# Altium PCB smu_unit.PcbDoc (part 1 of 3)
Units mil, origin at the board's own origin, x right, y up, seen from the top; angles counter-clockwise.
Board outline 6066 x 1900 mil, 4 copper layers (L1, L2, L3, L4), stack 64.6 mil thick; 158 components, 104 nets, 571 pads, 990 vias.
Unrouted connection lines stored in the file: 24.
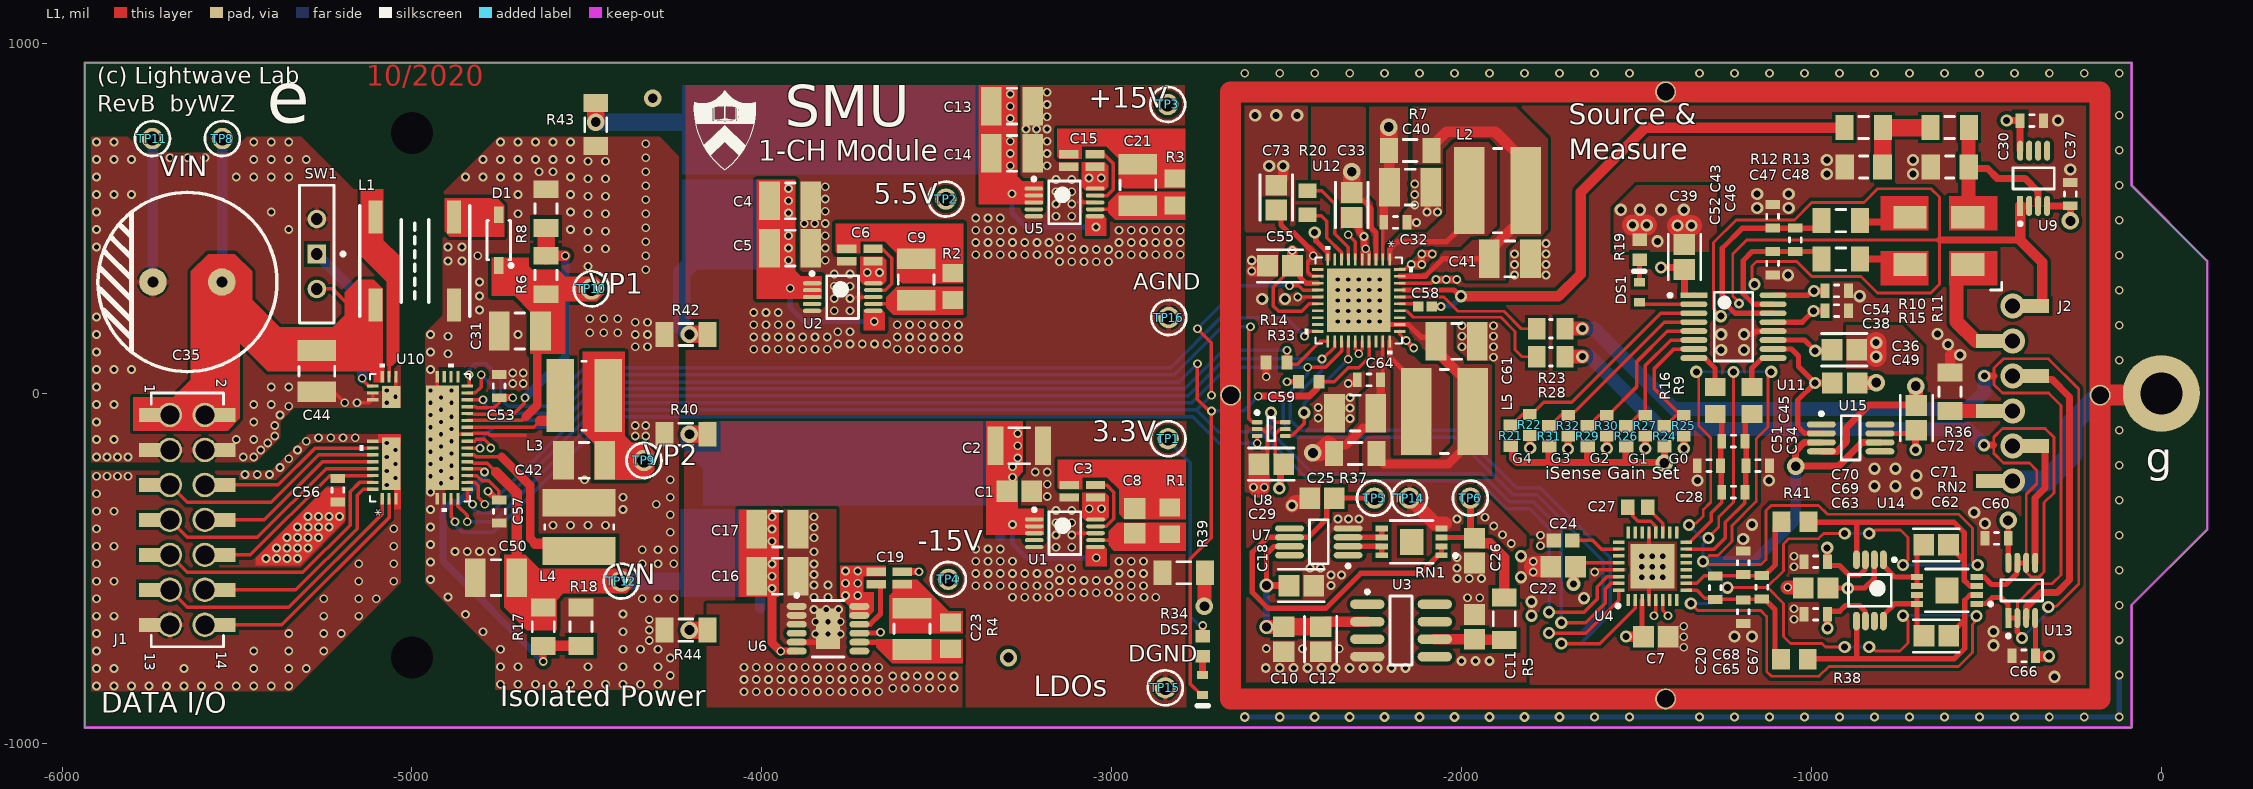
[diagram p0: L1 view]
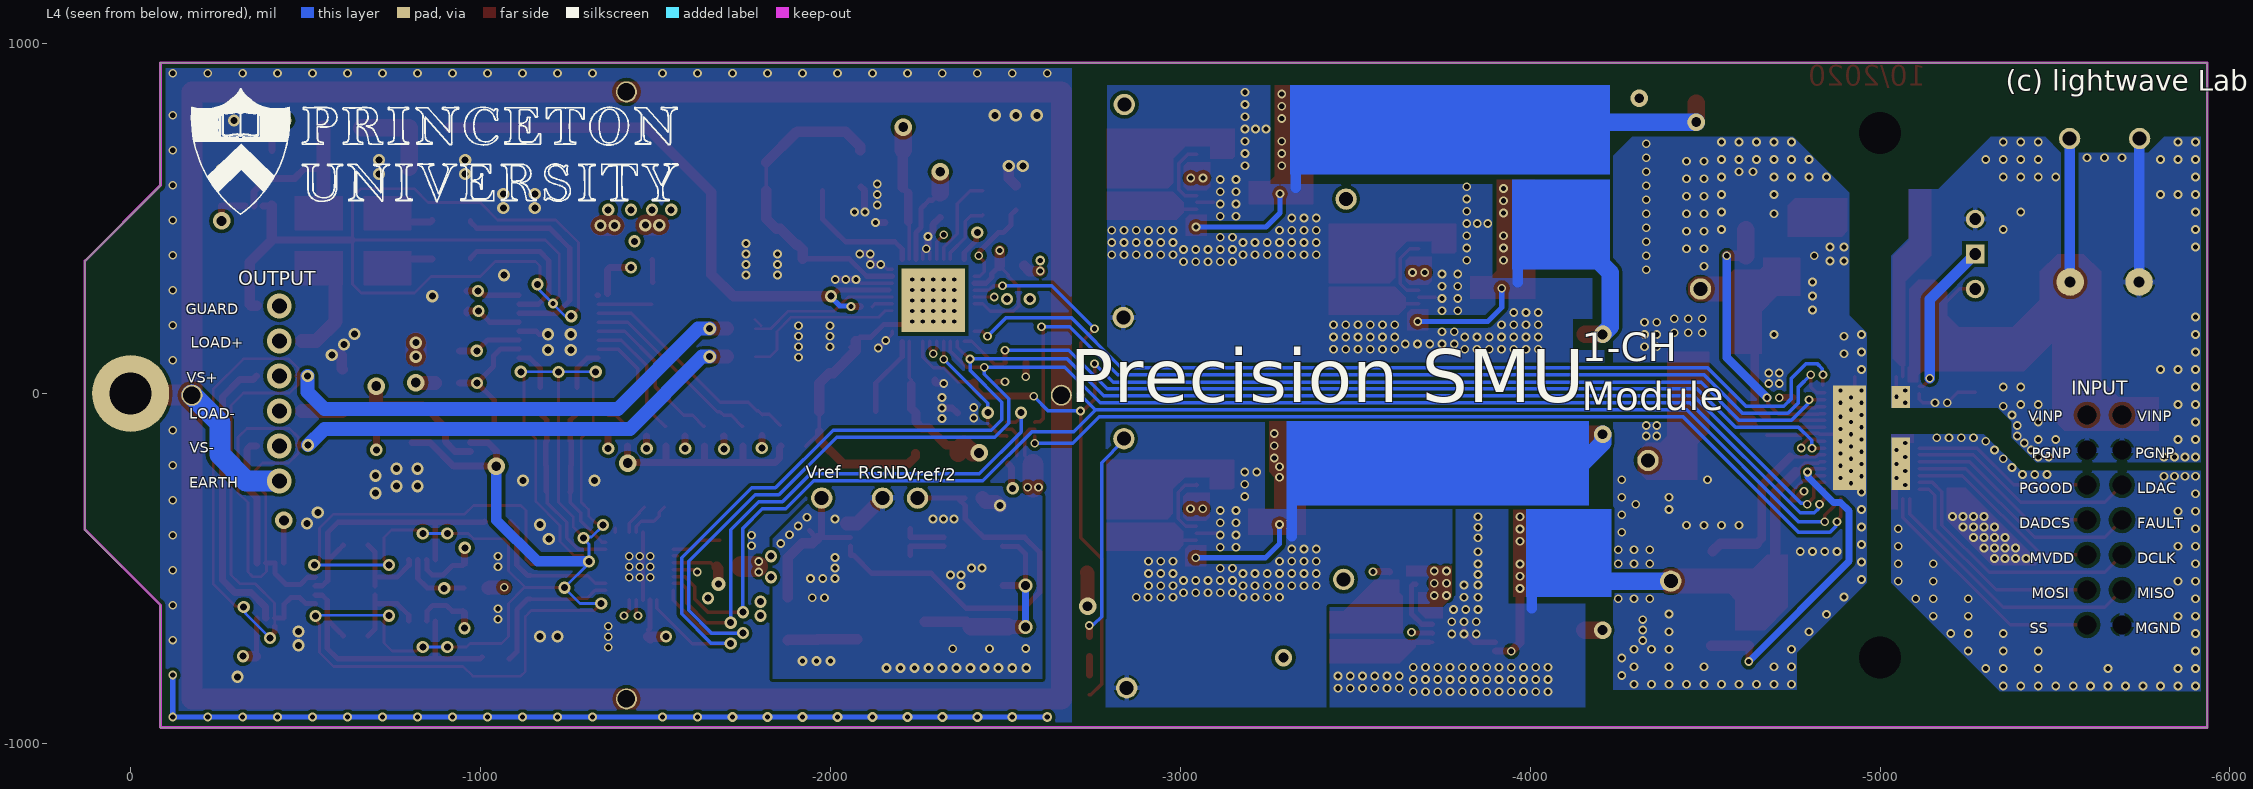
[diagram p1: L4 view, seen from below]
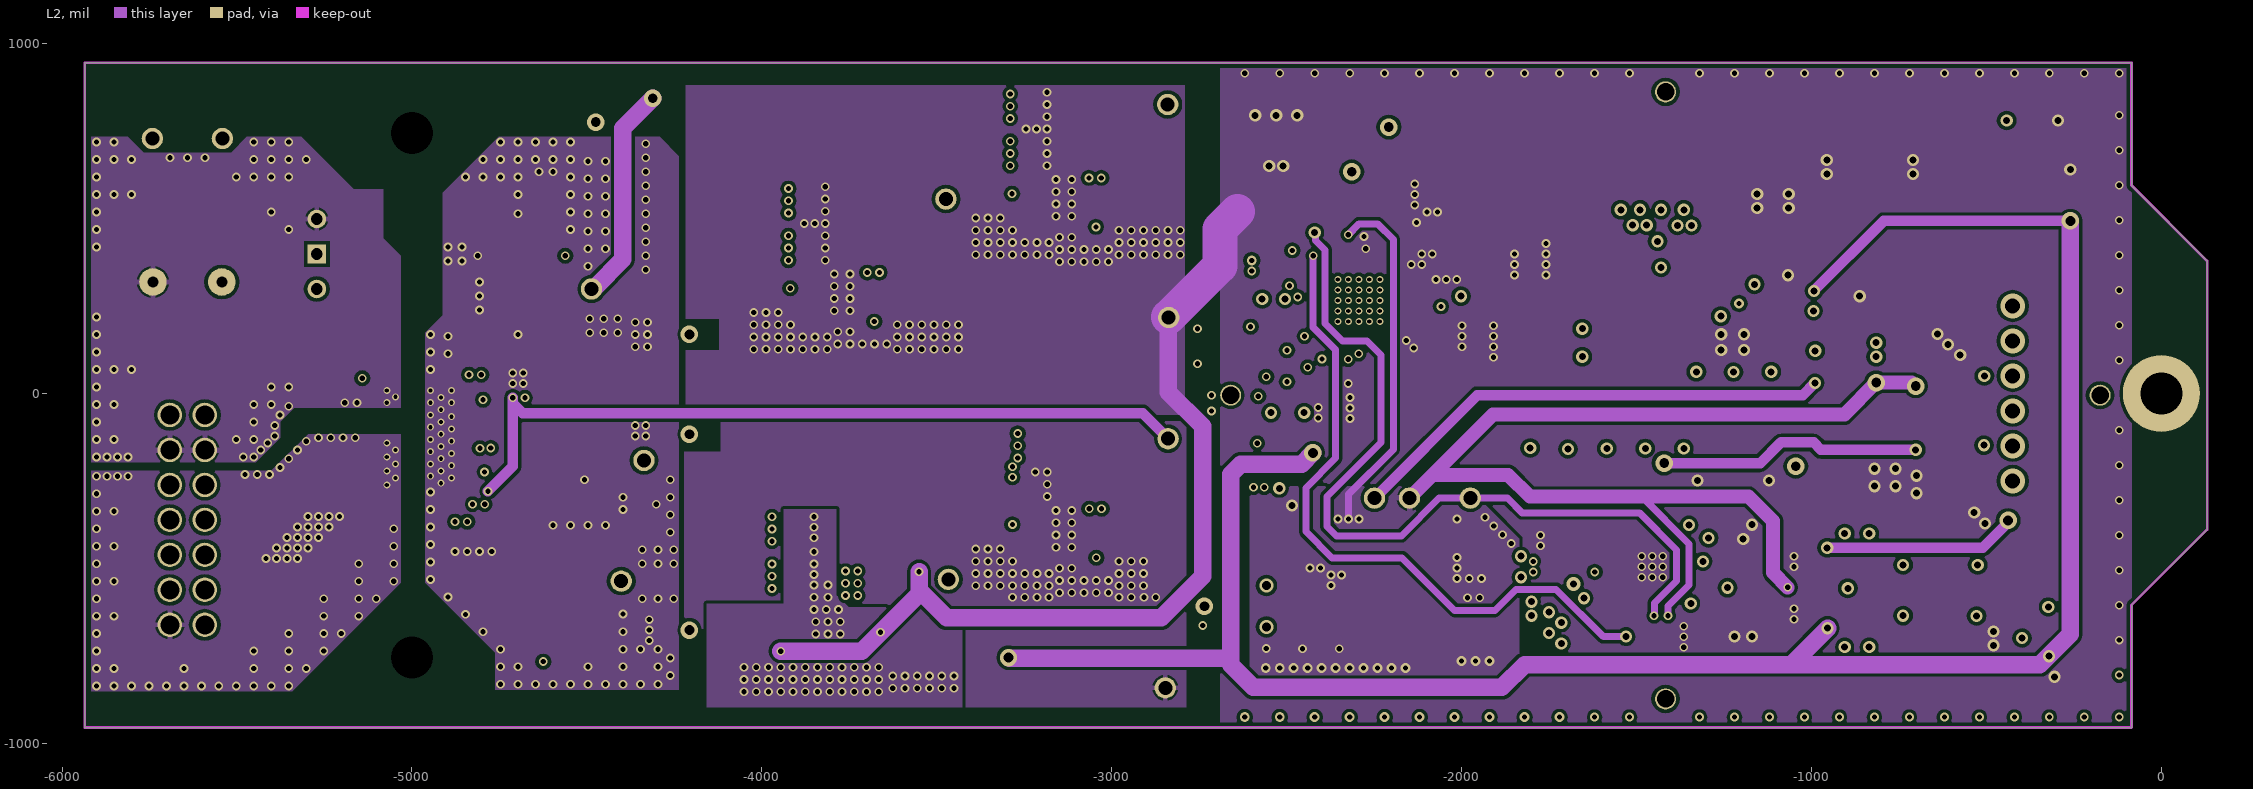
[diagram p2: L2]
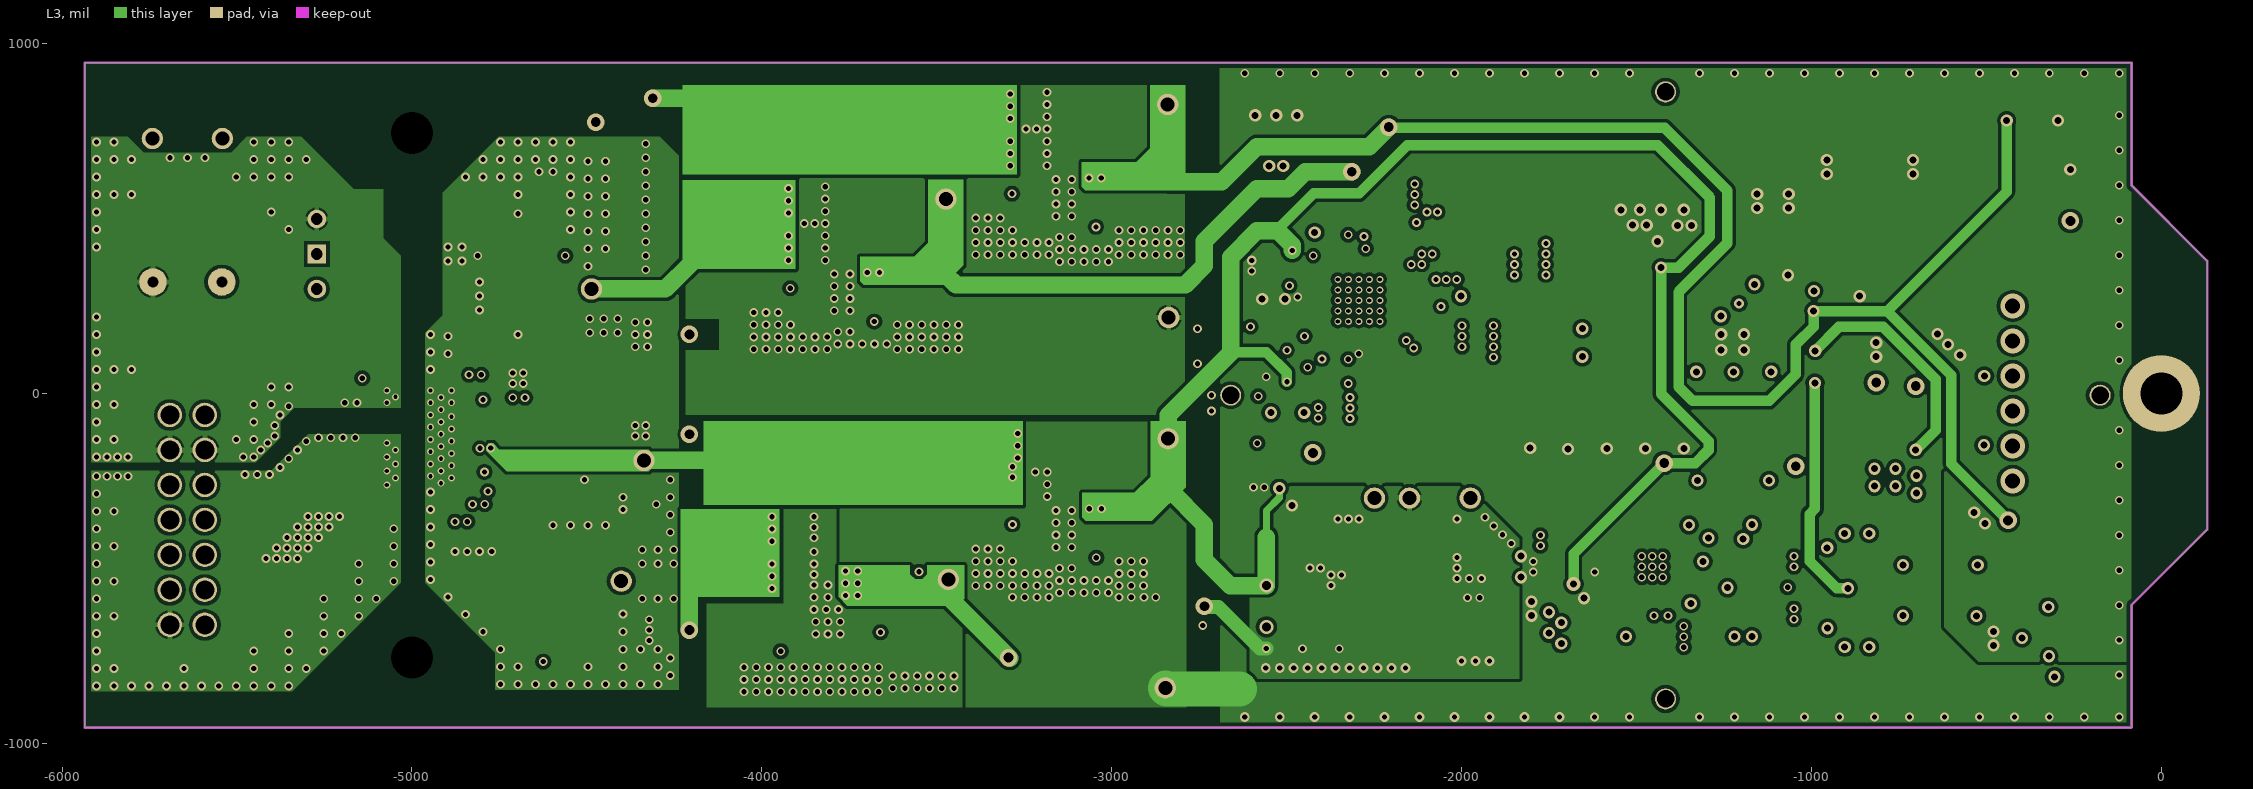
[diagram p3: L3]

## Layer stack, top to bottom
Top Solder: solder mask 0.1, Solder Resist, Dk 1
L1: signal copper 1.4
Prepreg 1: prepreg 6.7, FR-408, Dk 3.66
L2: signal copper 0.7
Core: dielectric 47, FR-4, Dk 3.66
L3: signal copper 0.7
Prepreg 2: prepreg 6.7, FR-408, Dk 3.66
L4: signal copper 1.4
Bottom Solder: solder mask 0.1, Solder Resist, Dk 1

## Board outline
-5935,-955 -5935,945 -85,945 -85,595 131,379 131,-389 -85,-605 -85,-955

## Design rules (kind name [scope] priority, off if disabled: settings)
BoardOutlineClearance [All] p1: gap=15 ignorepadtopadclearanceinfootprint=FALSE
Clearance "Clearance Polygons" [InPolygon] p1: gap=10 ignorepadtopadclearanceinfootprint=FALSE except(0: Arc-Hole Track-Hole SMDPad-Hole THPad-Hole Via-Hole Fill-Hole Poly-Hole Region-Hole Text-Hole)
Clearance [All] p2: gap=5 ignorepadtopadclearanceinfootprint=FALSE except(0: Arc-Hole Track-Hole SMDPad-Hole THPad-Hole Via-Hole Fill-Hole Poly-Hole Region-Hole Text-Hole)
ComponentClearance "HM-TRP & UFL" [InComponent('X1') vs InComponent('U1')] p1: gap=0 collisioncheckmode=3 verticalgap=0 showdistances=FALSE
ComponentClearance [All] p2: gap=1 collisioncheckmode=3 verticalgap=1 showdistances=FALSE
DiffPairsRouting [All] p1: maxlimit=393.7 minlimit=5 mostfreqgap=8 toplayer_minwidth=5 toplayer_maxwidth=15 toplayer_prefwidth=8 midlayer1_minwidth=5 midlayer1_maxwidth=15 midlayer1_prefwidth=8 midlayer2_minwidth=5 midlayer2_maxwidth=15 midlayer2_prefwidth=8 bottomlayer_minwidth=5 bottomlayer_maxwidth=15 bottomlayer_prefwidth=8 maxuncoupledlength=500
HoleSize [All] p1: absolutevalues=TRUE maxlimit=265 minlimit=10 maxpercent=80.000 minpercent=20.000
HoleToHoleClearance [All] p1: gap=10 allowstackedmicrovias=FALSE
MinimumAnnularRing [All] p1: minimumring=4
MinimumSolderMaskSliver [All] p1: minsoldermaskwidth=0
PlaneClearance [All] p1: clearance=10
PlaneConnect [All] p1: planeconnectstyle=Relief reliefexpansion=4 reliefentries=4 reliefconductorwidth=6 reliefairgap=6
PolygonConnect "Via connect style" [isVia] p1: connectstyle=Direct reliefconductorwidth=10 reliefentries=4 polygonreliefangle="90 Angle" airgapwidth=10
PolygonConnect [All] p2: thpad.connectstyle=Relief thpad.reliefconductorwidth=15 thpad.reliefentries=4 thpad.polygonreliefangle="90 Angle" thpad.airgapwidth=6 smdpad.connectstyle=Direct smdpad.reliefconductorwidth=10 smdpad.reliefentries=4 smdpad.polygonreliefangle="90 Angle" smdpad.airgapwidth=6 via.connectstyle=Direct via.reliefconductorwidth=10 via.reliefentries=4 via.polygonreliefangle="90 Angle" via.airgapwidth=6
RoutingCorners [All] p1: cornerstyle=45-Degree minsetback=49.21 maxsetback=49.21
RoutingVias [All] p1: holewidth=12 width=22 viastyle="Through Hole" minholewidth=10 minwidth=18 maxholewidth=100 maxwidth=114
SilkToSilkClearance [All] p1: silktosilkclearance=0
SilkToSolderMaskClearance [IsPad] p1: minsilkscreentomaskgap=5 clearancetoexposedcopper=TRUE
SolderMaskExpansion SolderMaskExpansion_1 [All] p1: expansion=4 istentingtop=FALSE
SolderMaskExpansion SolderMaskExpansion_via [IsVia] p2: expansion=2.5 istentingtop=TRUE
Width GND [InNet('GND')] p1: maxlimit=30 minlimit=10 preferedwidth=20
Width Power [InNetClass('Power')] p2: maxlimit=40 minlimit=20 preferedwidth=30
Width 3V3 [InNetClass('3V3')] p3: maxlimit=30 minlimit=10 preferedwidth=20
Width [All] p4: maxlimit=400 minlimit=6 preferedwidth=8
20 further rules are at their usual default settings.

## Components (designator, comment, footprint, x,y, rotation, side; value= is the part's Value field where it differs from the comment)
C1 "C0805C475J4RACAUTO" CAPC2013X140X50ML20T25 -3263.89,-279.41 r0 top value=4.7uF
C2 "‎GRM32ER71C226KEA8L‎" CAPC3225X270X30ML30 -3263.89,-149.41 r180 top
C3 "CAP08054P" CAP0805_4P -3083.89,-279.41 r180 top value=4.7uF
C4 "C1210C106K5RACTU" CAPC3225X280X50ML20T25 -3918.89,550.59 r180 top
C5 "C1206X475J5RAC7800" CAPC3225X280X50ML20T25 -3918.89,415.59 r180 top
C6 "CAP08054P" CAP0805_4P -3719.89,395.59 r180 top value=4.7uF
C7 "C0805C475J4RACAUTO" CAPC2013X140X50ML20T25 -1444.7,-695.24 r0 top value=4.7uF
C8 "C0805C475J4RACAUTO" CAPC2013X140X50ML20T25 -2933.89,-364.13 r90 top value=4.7uF
C9 "C1206X475J5RAC7800" CAPC3225X280X50ML20T25 -3558.89,325.59 r270 top
C10 "C0805C475J4RACAUTO" CAPC2013X140X50ML20T25 -2507.89,-702.41 r270 top value=4.7uF
C11 "C0805C475J4RACAUTO" CAPC2013X140X50ML20T25 -1962.89,-667.41 r90 top value=4.7uF
C12 "C0805C104J4RACTU" FP-C0805C-DN-IPC_A -2402.89,-702.41 r270 top value="0.10 μF"
C13 "C1210C106K5RACTU" CAPC3225X280X50ML20T25 -3285,821 r180 top
C14 "C1206X475J5RAC7800" CAPC3225X280X50ML20T25 -3285,686 r180 top
C15 "CAP08054P" CAP0805_4P -3085,666 r180 top value=4.7uF
C16 "C1210C106K5RACTU" CAPC3225X280X50ML20T25 -3955.78,-522.52 r0 top
C17 "C1206X475J5RAC7800" CAPC3225X280X50ML20T25 -3955.78,-387.52 r0 top
C18 "C0805C104J8RACTU" FP-C0805C-DN-IPC_A -2458,-549 r0 top value="0.10 μF"
C19 "CAP08054P" CAP0805_4P -3635.78,-527.52 r0 top value=4.7uF
C20 "CGA3E2X7R1H104K080AA" CAPC1608X90X20ML10 -1275,-555 r90 top
C21 "C1206X475J5RAC7800" CAPC3225X280X50ML20T25 -2925,596 r270 top
C22 "C0805C475J4RACAUTO" CAPC2013X140X50ML20T25 -1710,-495 r0 top value=4.7uF
C23 "C1206X475J5RAC7800" CAPC3225X280X50ML20T25 -3570.78,-672.52 r270 top
C24 "CC0603KRX7R7BB224" CAPC1608X90X40ML10T20 -1709.7,-420.24 r180 top
C25 "C0805X106J9RAC7800" CAPC2013X140X50ML20T25 -2399,-299 r0 top value=10uF
C26 "C0805C275K8PACTU" CAPC2013X145X50ML20T25 -1963,-449 r90 top value=2.7uF
C27 "1nF 16V" CAPC1608X87X35ML15T15 -1496.7,-325.24 r180 top
C28 "CGA3E2X7R1H104K080AA" CAPC1608X90X20ML10 -1223,-282 r180 top
C29 "C0805C104J8RACTU" FP-C0805C-DN-IPC_A -2544,-202 r180 top value="0.10 μF"
C30 "CGA3E2X7R1H104K080AA" CAPC1608X90X20ML10 -370,780 r180 top
C31 "C1210C106K5RACTU" CAPC3225X280X50ML20T25 -4691.89,178.59 r180 top
C32 "CGA3E2X7R1H104K080AA" CAPC1608X90X20ML10 -2189.01,488.71 r0 top
C33 "C0805C104J4RACTU" FP-C0805C-DN-IPC_A -2314.01,538.71 r270 top value="0.10 μF"
C34 "CGA3E2X7R1H104K080AA" CAPC1608X90X20ML10 -1153,-206 r0 top
C35 "A759PY687M1HAAE026" A759PY687M1HAAE026 -5641.89,318.59 r90 top value=680uF
C36 "C0805C104J8RACTU" FP-C0805C-DN-IPC_A -906,125 r0 top value="0.10 μF"
C37 "CGA3E2X7R1H104K080AA" CAPC1608X90X20ML10 -260,570 r90 top
C38 "CGA3E2X7R1H104K080AA" CAPC1608X90X20ML10 -928,237 r0 top
C39 "C0805C104J8RACTU" FP-C0805C-DN-IPC_A -1363,390 r90 top value="0.10 μF"
C40 "C1210C106K5RACTU" CAPC3225X280X50ML20T25 -2147.01,589.71 r180 top
C41 "C1210C106K5RACTU" CAPC3225X280X50ML20T25 -1862.01,384.71 r0 top
C42 "C1210C106K5RACTU" CAPC3225X280X50ML20T25 -4507.89,-191.41 r0 top
C43 "CGA3E2X7R1H104K080AA" CAPC1608X90X20ML10 -1111,506 r270 top
C44 "C1210C106K5RACTU" CAPC3225X280X50ML20T25 -5271.89,63.59 r90 top
C45 "CGA3E2X7R1H104K080AA" CAPC1608X90X20ML10 -1223,-136 r0 top
C46 "CGA3E2X7R1H104K080AA" CAPC1608X90X20ML10 -1046,439 r270 top
C47 "GCM31CR71C106KA64K" CAPC3216X16N -851,647 r0 top value=10uF
C48 "GCM31CR71C106KA64K" CAPC3216X16N -605,647 r0 top value=10uF
C49 "C0805X106J9RAC7800" CAPC2013X140X50ML20T25 -905,30 r180 top value=10uF
C50 "C1210C106K5RACTU" CAPC3225X280X50ML20T25 -4759.89,-526.41 r180 top
C51 "CGA3E2X7R1H104K080AA" CAPC1608X90X20ML10 -1293,-206 r0 top
C52 "CGA3E2X7R1H104K080AA" CAPC1608X90X20ML10 -1111,372 r270 top
C53 "CGA3E2X7R1H104K080AA" CAPC1608X90X20ML10 -4750.95,21.23 r270 top
C54 "CGA3E2X7R1H104K080AA" CAPC1608X90X20ML10 -928,293 r0 top
C55 "C0805C104J4RACTU" FP-C0805C-DN-IPC_A -2519.01,364.54 r180 top value="0.10 μF"
C56 "CGA3E2X7R1H104K080AA" CAPC1608X90X20ML10 -5211.89,-276.41 r90 top
C57 "CGA3E2X7R1H104K080AA" CAPC1608X90X20ML10 -4749.89,-337.41 r270 top
C58 "GCM155R71H221KA37D" CAPC1005X55X25ML05T10 -2105.06,248.12 r0 top value=220pF
C59 "C1210C106K5RACTU" CAPC3225X280X50ML20T25 -2304.01,-56.29 r180 top
C60 "CGA3E2X7R1H104K080AA" CAPC1608X90X20ML10 -471,-414 r180 top
C61 "C1210C106K5RACTU" CAPC3225X280X50ML20T25 -2014.01,148.71 r180 top
C62 "C0805C104J4RACTU" FP-C0805C-DN-IPC_A -643,-693 r0 top value="0.10 μF"
C63 "CGA3E2X7R1H104K080AA" CAPC1608X90X20ML10 -988,-631 r180 top
C64 "CGA3E2X7R1H104K080AA" CAPC1608X90X20ML10 -2264.76,38.71 r180 top
C65 "CGA3E2X7R1H104K080AA" CAPC1608X90X20ML10 -1195,-624 r90 top
C66 "CGA3E2X7R1H104K080AA" CAPC1608X90X20ML10 -393,-750 r180 top
C67 "CGA3E2X7R1H104K080AA" CAPC1608X90X20ML10 -1142,-554 r90 top
C68 "CGA3E2X7R1H104K080AA" CAPC1608X90X20ML10 -1195,-484 r90 top
C69 "C0805X106J9RAC7800" CAPC2013X140X50ML20T25 -988,-556 r0 top value=10uF
C70 "CGA3E2X7R1H104K080AA" CAPC1608X90X20ML10 -988,-481 r180 top
C71 "C0805C104J4RACTU" FP-C0805C-DN-IPC_A -643.54,-433 r0 top value="0.10 μF"
C72 "C0805C104J8RACTU" FP-C0805C-DN-IPC_A -700,-70 r90 top value="0.10 μF"
C73 "C0805C104J4RACTU" FP-C0805C-DN-IPC_A -2530,560 r270 top value="0.10 μF"
D1 "BAT46W-7-F" DIOD-SOD-123-2_V -4751.89,438.59 r270 top
DS1 "TLMS1000-GS08" VISH-TLMS1000_V -1492,289 r90 top
DS2 "TLMS1000-GS08" VISH-TLMS1000_V -2740,-833 r270 top
J1 "61031421821" 61031421821 -5641.89,-361.41 r270 top
J2 "SMU_OUTPUT" "HEADER 6 SMD" -489.92,250 r270 top
L1 "750316743" 750316743 -4991.89,378.59 r270 top
L2 "744052470" WE-TPC-5818-L -1897.01,579.71 r0 top
L3 "744043101" WE-TPC-4828-MH -4507.89,-6.41 r0 top
L4 "744043101" WE-TPC-4828-MH -4521.89,-381.41 r90 top
L5 "744052470" WE-TPC-5818-L -2049.01,-51.29 r0 top
R1 "TNPW080533K2BEEN" RESC2013X55X40ML15T20 -2833.89,-364.13 r270 top value=33.2k
R2 "TNPW0805150KBEEN" RESC2013X55X40ML15T20 -3453.89,305.59 r270 top value=55k
R3 "TNPW080560K4BEEN" RESC2013X55X40ML15T20 -2820,576 r270 top value=150k
R4 "TNPW0805150KBEEN" RESC2013X55X40ML15T20 -3460.78,-692.52 r270 top value=150k
R5 "0" RESC3216X105X45ML10T20 -1878,-644 r90 top
R6 "‎RG3216P-2704-B-T1‎" RESC3216X04N -4616.89,338.59 r270 top value=2.7M
R7 "0" RESC3216X105X45ML10T20 -2147.01,694.71 r0 top
R8 "TNPW1206120KBEEA" RESC3216X04N -4616.89,528.59 r270 top value=120k
R9 "TNPW0805100KBEEA" RESC2013X55X40ML15T20 -1170,-20 r270 top value=100
R10 "TNPW1206100RBYEN" RESC3216X04N -916,494 r180 top value=100
R11 "Y160610R0000D9W" RSHUNT -636,436 r180 top
R12 "‎TNPW120610R0BEEA‎" RESC3216X04N -851,760 r180 top value=10
R13 "‎TNPW120610R0BEEA‎" RESC3216X04N -605,760 r180 top value=10
R14 "RC0603FR-07100KL" RESC1608X55X25ML10T15 -2529.01,88.71 r180 top
R15 "TNPW1206100RBYEN" RESC3216X04N -916,384 r180 top value=100
R16 "TNPW0805100KBEEA" RESC2013X55X40ML15T20 -1275,-20 r270 top value=100
R17 "TNPW1206120KBEEA" RESC3216X04N -4624.89,-666.41 r90 top value=120k
R18 "‎RG3216P-2704-B-T1‎" RESC3216X04N -4516.89,-666.41 r270 top value=2.7M
R19 "ERJ-3EKF1001V" RESC1608X55X30ML15T15 -1491,411 r270 top value=1k
R20 "TNPW080513K7BEEN" RESC2012X04N -2440,545 r90 top value=13.7k
R21 "ERJ-3EKF1001V" RESC1608X55X30ML15T15 -1859,-121 r90 top value=1k
R22 "RC0603FR-07100KL" RESC1608X55X25ML10T15 -1805,-90 r90 top
R23 "1k" RESC2013X50X30ML20T20 -1745,185 r0 top
R24 "ERJ-3EKF1001V" RESC1608X55X30ML15T15 -1420,-122 r90 top value=1k
R25 "RC0603FR-07100KL" RESC1608X55X25ML10T15 -1365,-92 r90 top
R26 "ERJ-3EKF1001V" RESC1608X55X30ML15T15 -1530,-122 r90 top value=1k
R27 "RC0603FR-07100KL" RESC1608X55X25ML10T15 -1475,-92 r90 top
R28 "1k" RESC2013X50X30ML20T20 -1745,105 r0 top
R29 "ERJ-3EKF1001V" RESC1608X55X30ML15T15 -1640,-122 r90 top value=1k
R30 "RC0603FR-07100KL" RESC1608X55X25ML10T15 -1585,-92 r90 top
R31 "ERJ-3EKF1001V" RESC1608X55X30ML15T15 -1750,-122 r90 top value=1k
R32 "RC0603FR-07100KL" RESC1608X55X25ML10T15 -1695,-92 r90 top
R33 "RC0603FR-07100KL" RESC1608X55X25ML10T15 -2437.01,33.71 r0 top
R34 "ERJ-3EKF1001V" RESC1608X55X30ML15T15 -2740,-723 r270 top value=1k